# KiCad board BUDDY_v1.0.0.kicad_pcb (continued)
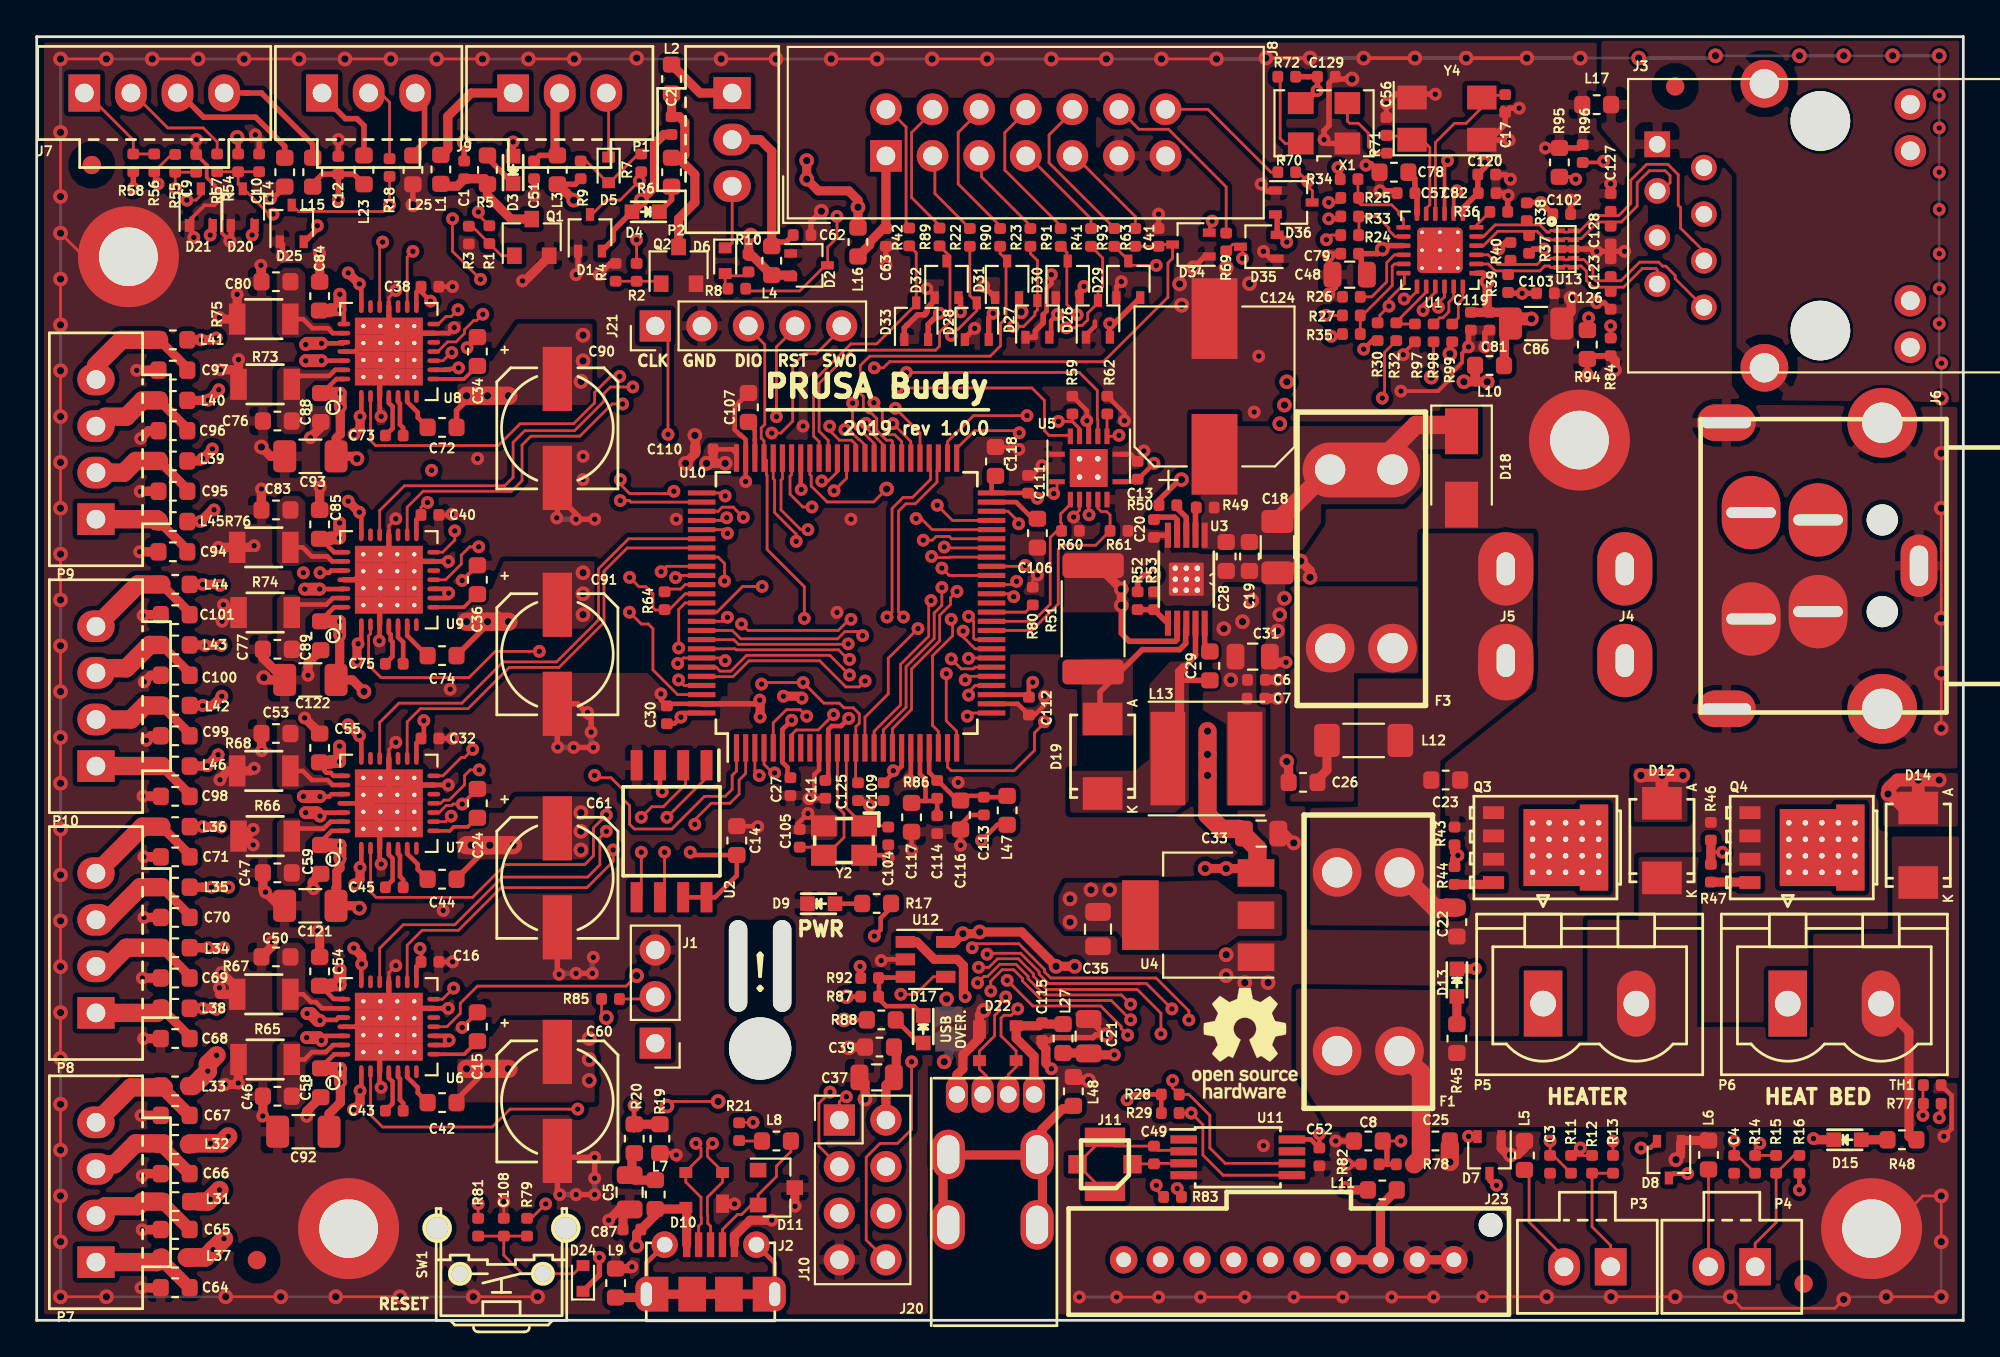
[diagram p0: board, top side]
## Nets (continued)
Net-(L46-Pad1): L46.1 U9.1
Net-(P3-Pad1): P3.1 R12.1 R13.2
Net-(P4-Pad1): P4.1 R15.1 R16.2
Net-(Q1-Pad1): Q1.1 R1.2 R3.1
Net-(Q2-Pad1): Q2.1 R2.2 R4.1
Net-(Q3-Pad1): Q3.1 R44.2
Net-(Q4-Pad1): Q4.1 R47.2
Net-(R24-Pad2): R24.2 R33.2 U1.8
Net-(R25-Pad2): R25.2 R34.2 U1.7
Net-(R26-Pad2): R26.2 U1.10
Net-(R27-Pad2): R27.2 R35.2 U1.11
Net-(R32-Pad2): R32.2 R97.1 U1.14
Net-(R36-Pad1): R36.1 U1.24
Net-(R49-Pad2): R49.2 U3.2
Net-(R50-Pad1): R50.1 U3.3
Net-(R52-Pad2): R52.2 R53.1 U3.6
Net-(R64-Pad2): R64.2 U10.86
Net-(R71-Pad2): R71.2 X1.3
Net-(R72-Pad2): R72.2 X1.1
Net-(R80-Pad2): R80.2 U10.37
Net-(R98-Pad2): R98.2 U1.17
Net-(R99-Pad2): R99.2 U1.18
Net-(U6-Pad7): U6.7
Net-(U6-Pad12): U6.12
Net-(U6-Pad17): U6.17
Net-(U6-Pad20): U6.20
Net-(U7-Pad7): U7.7
Net-(U7-Pad12): U7.12
Net-(U7-Pad17): U7.17
Net-(U7-Pad20): U7.20
Net-(U8-Pad7): U8.7
Net-(U8-Pad12): U8.12
Net-(U8-Pad17): U8.17
Net-(U8-Pad20): U8.20
Net-(U9-Pad7): U9.7
Net-(U9-Pad12): U9.12
Net-(U9-Pad17): U9.17
Net-(U9-Pad20): U9.20
Net-(U10-Pad8): U10.8
Net-(U10-Pad9): U10.9
Net-(U10-Pad38): U10.38
Net-(U11-Pad1): U11.1
Net-(U11-Pad7): U11.7

Pads without a net: J3 7; SW1 3 4; U5 15

## Via types
v1: diameter 0.8, hole 0.4, Top to Bottom, 202 vias
v2: diameter 0.7, hole 0.3, Top to Bottom, 509 vias

## Routing (per net, layer and track width the routed paths; a pad name or vN(x,y) marks a point on that pad's centre or on a via; arc(x,y) is an arc through that point)
24V2: length 16.6
  Top w0.5: P6.2 102.04,15.75 102.04,10.03 102.29,9.78 ; 101.02,18.29 100.51,18.29
  Top w1: R78.1 75.44,8.88 C25.1 ; 73.79,14.21 F1.1 ; 74.22,14.73 75.44,13.51 75.44,9.52
+3V3: length 108.4
  Top w0.15: v2(22.62,52.78) 22.49,52.64 22.46,52.64 22.14,52.33 U8.10 ; C40.2 20.95,44.35 21.2,44.6 v2(21.3,44.6) ; v2(9.45,59.18) 9.45,59.19 9.45,60.05 ; R81.2 v2(24.06,6.35) ; R13.1 v2(85.91,9.78) ; U7.9 22.29,27.19 v2(22.59,27.49)
  Top w0.2: 63.94,59.31 63.94,59.82 v2(64.06,59.94)
  Top w0.25: U6.15 20.69,19.29 C16.2 20.95,20.22 v2(20.89,20.28) ; v2(21.46,55.58) 20.95,56.09 C38.2 ; 20.95,43.92 20.69,43.66 20.69,42.83 ; 20.95,31.73 20.69,31.47 20.69,30.64 ; 22.22,39.89 v2(22.45,39.66) 22.19,39.39 ; 21.62,39.89 22.51,39.89 ; L47.1 52.35,27.02 v2(51.49,26.16) ; 40.95,32.64 41.04,32.73 v2(41.14,32.73) 40.64,32.22 U10.6 40.64,30.43 40.92,30.16 40.92,29.56 ; 78.54,10.03 v2(78.03,10.03) ; C52.1 v2(69.91,10.16) ; C52.1 69.44,9.86 U11.8 ; C52.1 69.87,9.36 ; R17.2 46.56,22.5 46,21.94 46,21.3 v2(45.65,20.95) ; v2(96.07,7.11) R16.1 ; v2(44.26,32.82) 43.84,32.41 43.33,32.41 43.14,32.22 U10.11 43.14,29.73 42.85,29.44 ; U10.28 53.78,34.12 ; 21.01,56.39 20.69,56.07 U8.15 ; U2.3 33.97,28.95 v2(34.09,28.83) ; v2(54.28,34.8) 54.07,34.59 C112.1 ; R77.1 103.79,11.15 v2(103.69,11.05) ; v2(21.1,32.7) 21.1,31.88 C32.2 ; U10.100 35.24,33.12 35.11,32.99 v2(35.11,32.89) 34.75,32.53 C30.1 ; v2(54.54,44.83) 54.26,45.11 C111.1 54.02,45.12 U10.50 52.04,45.84 C118.1 ; v2(59.42,12.02) 59.72,12.32 61.29,12.32 61.29,11.3 ; v2(70.56,53.66) 71.05,53.66 71.14,53.75 71.14,53.78 ; U2.8 36.97,23.07 38.16,24.26 C14.1 35.77,25.37 v2(35.62,25.53) ; U2.8 35.24,23.07 ; U2.8 36.55,23.11 ; 72.19,58.04 72.04,58.04 ; 88.32,9.78 87.96,9.41 87.45,9.41 ; 21.62,39.39 22.48,39.39 ; v2(72.32,52.96) 72.91,53.55 73.17,53.55 ; 45.14,16.38 v1(44,16.38) ; 37.01,47.65 36.86,47.5 37.9,47.5 38.14,47.26 U10.75 ; U10.19 47.14,30.22 46.89,29.97 v2(46.69,29.97) 46.69,29.84 C109.1 ; R87.1 v1(44.12,17.65)
  Top w0.3: v2(70.92,62.86) 71.04,62.75 R34.1 ; 68.74,67.82 C129.1 69.8,67.08 v2(69.78,67.06) 69.1,66.38 X1.4 ; 71.05,60.2 70.92,60.07 v2(70.41,60.07) ; D24.1 30.66,2.47 v2(30.66,3.43) ; 72.34,56.77 72.34,56.87 72.19,57.02 72.19,58.02 C79.1 73.08,58.16 v1(73.34,58.42) 73.52,58.6 U1.9 ; 78.47,52.17 78.54,52.24 ; R58.1 v2(5.26,61.72)
  Top w0.5: 78.41,51.18 v1(77.78,51.18) ; 78.41,51.18 v1(79.05,51.18) ; 78.41,51.18 78.41,51.47 78.39,51.49 L10.2 ; 46.85,14.9 46.85,13.39 46.28,12.83 J10.2 ; 37.01,46.73 v1(36.5,46.73) ; 37.01,46.73 v1(37.52,46.73) 37.52,46.84 ; 37.01,46.73 36.86,46.88 36.86,47.5 ; L11.1 71.43,7.11 v2(71.3,7.24)
  In2.Cu w0.25: v2(35.11,32.89) 36,32.89
  In2.Cu w0.3: v2(103.69,11.05) 102.93,10.29 101.66,10.29
  In4.Cu w0.15: v2(21.1,32.7) 21.1,28.98 v2(22.59,27.49) ; v2(22.45,39.66) 21.46,40.65 21.46,44.44 v2(21.3,44.6) ; 21.46,52.73 21.51,52.78 v2(22.62,52.78)
  In4.Cu w0.5: 21.46,46.44 v2(21.46,55.58)
  vias: v1(56.32,22.99) v1(56.32,21.72) v1(57.46,23.48) v1(58.48,23.48) v2(21.52,46.35) v2(87.43,9.4)
+5V: length 242
  Top w0.15: 11.73,60.05 11.73,59.19 v2(11.74,59.18) ; 25.93,63.52 D3.2
  Top w0.25: v2(55.64,54.85) 55.29,54.5 55.29,53.71 D27.2 ; v2(60.89,46.73) 60.13,45.97 60,45.97 59.76,45.73 U5.14 ; R50.2 61.06,44.45
  Top w0.3: R52.1 60,40.32 60.32,40.64 v1(60.89,40.64) ; 56.82,55.83 56.73,55.93 56.73,56.04 v2(57.08,56.39) ; 61.17,44.7 61.17,44.73 62.28,45.85 62.41,45.85 ; D33.2 48.59,54.31 v2(49.2,54.92) ; C12.1 15.57,62.51 15.04,61.97 L15.1 ; C12.1 16.44,61.12 v2(16.44,61.12) ; C12.1 17.28,62.51 L23.1 ; D4.2 31.42,59.44 31.42,58.93 D1.2 ; R54.2 10.98,64.46 v1(10.93,64.51) ; v2(50.35,54.99) 50.35,55.75 50.22,55.88 ; 25.96,64.27 25.96,63.37 ; v1(53.65,54.99) 53.54,55.1 D31.2 ; D29.2 58.73,54.35 v2(58.48,54.35) 58.48,53.62 D26.2 ; v2(52.13,54.92) 51.89,54.68 D28.2 ; 14.53,58.93 14.71,58.93 15.3,59.51 v2(15.3,59.69) ; C1.2 v1(23.3,64.26) ; R9.2 29.34,61.95 28.25,61.95 ; D36.2 67.6,60.21 67.6,59.32 68.13,58.8 v2(68.13,58.8)
  Top w0.5: 66.97,24.64 66.86,24.52 66.86,24.26 ; v1(56.57,19.3) v1(55.56,19.3) 53.68,21.18 v1(51.39,21.18) 51.3,21.08 v1(50.47,21.08) 49.97,20.57 49.48,20.57 ; D4.2 32.95,60.96 v1(32.95,61.09) 33.67,61.81 33.67,64.15 34.18,64.66 C2.2 ; v1(41.97,63.24) v1(41.97,62.23) 42.6,61.59 44.25,61.59 44.76,61.09 v1(44.76,60.7) L16.1 ; 28.25,61.95 28.4,61.95 v1(29.27,61.09) ; 41.2,57.02 41.18,57 L4.1 39.04,58.02 38.79,58.02 38.79,59.05 v1(38.92,59.18) ; 66.15,30.15 66.15,30.63 65.59,31.2 ; 62.31,45.77 v1(62.39,45.85) ; 66.21,24.64 v1(64.83,24.64) v1(63.68,24.64)
  Top w1: 66.62,24.4 66.6,24.38 66.53,24.46 66.53,25.73 65.79,26.46 C33.1 65.54,26.8 64.57,26.8 63.81,27.56 v1(63.81,29.72) v1(63.81,30.86) v1(63.81,32.13) ; 65.93,30.86 66.15,30.63
  In1.Cu w0.5: v2(49.2,54.92) 49.33,55.05 49.33,58.42 47.05,60.7 v1(44.76,60.7)
  In1.Cu w1: v1(10.93,64.51) 10.93,59.87 11.61,59.18 v2(11.74,59.18) 14.79,59.18 v2(15.3,59.69) 16.44,60.83 v2(16.44,61.12) 18.31,62.99 21.46,62.99 22.73,64.26 v1(23.3,64.26) v2(25.96,64.26) 29.14,61.09 v1(29.27,61.09) 33.58,61.09 35.49,59.18 v1(38.92,59.18) v1(41.97,62.23) 41.97,66.04 43.48,67.55 65.98,67.55 68.13,65.4 v2(68.13,58.8) v1(68.13,51.18) 68.13,50.04 v1(68,49.91) 67.75,49.66 v1(67.75,48.89)
  In3.Cu w0.3: v1(60.89,40.64) 60.89,36.45 62.01,35.32 64.68,35.32 v1(65.08,34.92)
  In4.Cu w0.25: 55.7,54.92 v2(55.64,54.85)
  In4.Cu w0.3: 55.81,54.85 v2(55.64,54.85) ; v2(55.64,54.85) 53.79,54.85 v1(53.65,54.99) 53.58,54.92 v2(52.13,54.92) 52.05,54.99 v2(50.35,54.99) 50.28,54.92 v2(49.2,54.92) ; v2(55.64,54.85) 56.06,55.28 56.06,55.88 56.57,56.39 v2(57.08,56.39) 57.97,56.39 58.48,55.88 v2(58.48,54.35) ; 67.33,44.99 67.37,44.96
  In4.Cu w0.5: 67.37,44.96 67.11,45.21 67.11,45.85 v1(62.39,45.85) 61.78,45.85 v2(60.89,46.73) ; v1(51.39,21.18) 51.3,21.08 v1(50.47,21.08) 49.59,20.19 v1(49.59,17.52) ; v1(55.56,19.3) v1(56.57,19.3) 56.97,19.7 62.05,19.7 63.05,20.7 63.05,24 63.68,24.64 65.59,24.64
  In4.Cu w1: v1(63.81,29.72) v1(63.81,32.13) 63.81,36.83 v1(64.7,37.72) 65.33,37.72 v1(65.72,38.1) 66.22,38.61 v1(66.22,39.24) 66.22,43.81 67.37,44.96 67.37,47.95 67.75,48.33 v1(67.75,48.89) 67.75,49.66 v1(68,49.91) 68.13,50.04 v1(68.13,51.18)
  Bottom w0.5: 49.59,16.64 v1(49.59,17.52)
+24V: length 5.7
  Top w1: F1.2 76.22,22.48 76.8,22.48 76.82,22.5 C22.1 ; 79.63,40.73 79.63,41.45 ; 79.84,41.21 J5.1 ; 70.83,24.38 F1.2
  Top w3: 80.07,35.3 J5.1
+24VMOT: length 271
  Top w0.25: 15.4,30.42 15.68,30.15 15.68,29.97 15.79,29.86 16.02,29.86 16.19,29.69 16.72,29.69 ; 16.71,41.89 16.21,41.89 15.48,42.62 15.39,42.62 ; U6.28 16.22,14.51 15.8,14.1 15.8,14.07 C58.1 ; 16.74,54.33 16.74,54.82 16.49,55.06 15.42,55.06 ; C54.1 15.47,18.24 16.19,17.52 16.73,17.52 U6.22 ; 15.44,38.12 15.93,38.61 15.93,38.61 16.21,38.89 16.71,38.89 ; 15.47,50.56 15.57,50.56 16.34,51.33 16.74,51.33 ; 15.46,25.92 15.46,26.07 16.08,26.69 16.72,26.69
  Top w0.3: C44.1 22.88,24.09 v1(24.69,25.91) ; 23.42,50.67 23.42,50.16 22.88,49.62 C72.1 ; C74.1 25.17,38.53 ; C60.1 28.85,14.64 ; v1(24.57,13.72) 22.88,12.03 C42.1
  Top w0.5: v2(16.53,25.16) 16.53,24.66 16.35,24.49 16.35,23.62 16.31,23.58 C121.1 17.45,22.6 v1(17.58,22.48) ; v2(16.52,37.35) 16.52,35.12 16.31,34.92 17.2,34.92 v1(17.84,34.29) ; v2(16.55,49.8) 16.55,48.32 16.32,48.09 C93.1 17.33,47.12 v1(17.45,46.99) ; v2(16.55,12.98) 16.55,11.88 15.93,11.26 C92.1 ; 69.75,47.11 70.49,46.37
  Top w0.7: 16.55,13.07 v2(16.55,13.73) 16.06,13.73 16.05,13.74 C58.1 ; C54.1 16,18.24 16.04,18.29 v2(16.53,18.29) v2(16.53,19.13) ; 15.46,25.92 16.03,25.92 16.04,25.91 v2(16.53,25.91) 16.53,25.25 ; 15.4,30.42 15.98,30.42 16.02,30.47 v2(16.51,30.47) v2(16.51,31.31) ; 16.54,49.89 v2(16.54,50.55) 16.06,50.55 16.05,50.56 15.47,50.56 ; 16.51,37.44 v2(16.51,38.11) 16.03,38.11 16.02,38.12 15.44,38.12 ; v2(16.51,43.48) 16.51,42.68 v2(16.49,42.66) 16.01,42.66 15.96,42.62 15.39,42.62 ; v2(16.52,55.95) v2(16.52,55.11) 16.04,55.11 15.99,55.06 15.42,55.06
  Top w1: v1(23.42,38.1) v1(24.57,38.1) v1(25.71,38.1) ; v1(23.42,50.42) v1(24.57,50.42) v1(25.71,50.42) ; 67.49,43.43 70.54,46.48 ; v1(25.96,25.91) 23.42,25.91 ; 28.63,39.27 C91.1 ; v1(25.71,13.72) v1(24.57,13.72) v1(23.42,13.72) ; F3.1 73.89,47.55 75.18,48.83 77.65,48.83 ; v1(24.69,25.91) v1(23.68,25.91)
  Top w3: 73.89,46.37 70.49,46.37
  In1.Cu w1: v2(16.55,49.8) 16.54,49.8 v2(16.54,50.55) ; v2(16.51,38.11) 16.57,38.16 16.57,42.59 v2(16.49,42.66) 16.51,42.68 v2(16.51,43.48) ; v2(16.51,38.11) 16.51,37.36 v2(16.52,37.35) ; v2(16.51,38.11) 25.7,38.11 v1(25.71,38.1) ; v1(25.71,13.72) 25.69,13.73 v2(16.55,13.73) ; v2(16.54,50.55) 16.54,49.76 ; v2(16.54,50.55) 16.52,50.53 v2(16.52,55.11) v2(16.52,55.95) ; v1(25.96,25.91) 25.96,25.91 v2(16.53,25.91) ; v2(16.51,31.31) v2(16.51,30.47) 16.51,25.18 v2(16.53,25.16) ; v2(16.55,13.73) 16.55,12.98 v2(16.55,12.98) ; v2(16.55,13.73) 16.53,13.75 v2(16.53,18.29) v2(16.53,19.13) ; v1(25.71,50.42) 16.57,50.42
  In1.Cu w3: 28.76,22.35 26.22,19.81 26.22,18.03 29.01,15.24 29.01,13.46 ; 28.76,22.35 28.76,27.81 26.22,30.35 26.22,32.26 29.27,35.3 29.39,35.3 29.39,40.26 28.38,41.27 28,41.27 26.22,43.05 26.22,46.86 29.52,50.16 29.52,52.96 ; 28.76,22.35 29.88,23.47 44.62,23.47 44.86,23.23 52.87,23.23 57.05,27.4 57.05,40.71 59.51,43.18 67.27,43.18 F3.1 F3.1
  In4.Cu w0.5: v1(17.58,22.48) 17.96,22.48 18.73,21.72 18.73,18.8 18.22,18.29 v2(16.53,18.29) ; v1(17.84,34.29) 18.49,33.64 18.49,31.13 17.83,30.47 v2(16.51,30.47) ; v2(16.49,42.66) 17.96,42.66 18.73,43.43 18.73,45.72 v1(17.45,46.99)
  vias: v1(29.67,51.2) v1(29.66,27.69) v1(29.66,26.67) v1(29.66,25.65) v1(29.77,53.72) v1(29.77,52.32) v1(29.77,40.77) v1(29.77,39.62) v1(29.77,38.48) v1(30.11,15.37) v1(30.11,14.22) v1(30.11,13.08)
/CPU/VDDA: length 6.2
  Top w0.25: L47.2 52.82,28.53 C113.1 51.55,28.6 49.94,28.6 49.1,29.44 R86.2 48.64,29.88 U10.22
GND: length 622.9
  Top w0.15: U6.18 19.19,18.96 v2(19.57,19.34) 19.63,19.4 ; U8.18 19.19,55.78 v2(19.57,56.16) 19.63,56.22 ; 19.19,42.83 19.19,43.33 v2(19.57,43.71) 19.63,43.77 ; 19.19,30.64 19.19,31.14 v2(19.57,31.52) 19.63,31.58 ; 79.88,66.12 79.91,66.1 ; v1(103.8,4.28) v1(103.8,6.78) 102.8,6.78 101.3,5.28 100.28,5.28 J19.1 ; v1(55.3,68.78) v1(58.3,68.78) ; v1(1.3,56.78) v1(1.3,54.28) ; 48.95,55.88 48.89,55.88 v2(48.51,56.26) ; v2(56.51,43.81) 56.51,43.86 56.83,44.18 U5.10 ; v1(1.3,51.78) v1(1.3,49.28) ; v1(11.3,68.78) v1(14.3,68.78) ; C125.2 45.12,28.34 v2(45.4,28.07) 45.56,27.9 ; v1(1.3,46.78) v1(1.3,44.28) ; v1(92.3,1.28) 92.93,0.65 97.99,0.65 v1(98.48,1.14) ; v1(103.8,35.28) v1(103.8,32.28) ; v2(71.18,1.27) v2(68.51,1.27) ; R80.1 54.28,40.38 v2(54.54,40.64) ; v1(1.3,6.78) v1(1.3,4.28) ; 103.81,50.3 v1(103.8,50.28) ; v2(76.13,1.27) v2(73.84,1.27) ; v1(37.3,68.78) v1(40.3,68.78) ; v1(23.8,1.28) v1(27.3,1.28) ; v1(1.3,11.78) v1(1.3,9.28) ; v1(1.3,1.28) v1(3.8,1.28) ; v1(61.3,68.78) v1(64.3,68.78) ; v1(16.3,1.28) v1(19.8,1.28) ; v1(103.8,44.28) v1(103.8,38.28) ; C108.2 v2(25.46,6.48) ; v1(1.3,26.78) v1(1.3,24.28) ; v1(43.3,68.78) v1(45.8,68.78) ; v1(1.3,41.78) v1(1.3,39.28) ; v1(1.3,16.78) v1(1.3,14.28) ; v1(1.3,31.78) v1(1.3,29.28) ; v1(48.8,68.78) v1(51.8,68.78) ; v1(1.3,21.78) v1(1.3,19.28) ; 70.88,64.52 70.88,64.41 ; v1(103.8,1.28) v1(100.8,1.28) ; 21.61,27.69 21.94,27.69 22.31,28.07 22.61,28.07 22.69,28.15 v2(23.19,28.15) ; J17.1 2.58,58 v1(1.3,59.28) ; v1(89.3,1.28) v1(85.8,1.28) ; v2(61.14,1.27) v2(58.86,1.27) ; v1(10.3,1.28) v1(13.3,1.28) ; v1(1.3,36.78) v1(1.3,34.28) ; v1(1.3,68.78) v1(3.8,68.78) ; v1(82.3,1.28) v2(78.8,1.28) ; v1(26.8,68.78) v1(29.3,68.78) ; v1(1.3,61.28) v1(1.3,64.78) ; v1(21.8,68.78) v1(24.3,68.78) ; v2(65.84,1.27) v2(63.43,1.27) ; v1(6.3,68.78) v1(8.8,68.78) ; v1(16.8,68.78) v1(19.3,68.78)
  Top w0.2: C24.1 v2(23.19,28.15) ; 24.02,41.17 v2(23.19,40.34) ; C15.1 v2(23.19,15.97) ; v2(78.03,53.08) 77.68,52.73 77.68,52.23 77.15,51.69 77.15,51.43 76.38,50.67 v2(74.35,50.67) ; C9.1 9.3,62.98 9.26,62.95 9.26,62.32 9.71,61.88 9.71,61.85 10.09,61.47 10.09,61.21 10.09,61.21 ; v1(77.91,68.83) v1(81.21,68.83) ; 24.04,53.62 v2(23.46,53.04) ; v2(10.52,58.85) 10.09,59.29 10.09,61.21 ; v2(74.48,52.66) 74.48,52.73 R97.2 ; 8.45,60.05 8.45,60.1 9.15,60.8 9.68,60.8 10.09,61.21 ; v1(66.99,68.83) v1(69.4,68.83) ; v1(72.32,68.83) v1(75.11,68.83)
  Top w0.25: 22.43,29.19 v2(22.43,29.19) U7.13 ; v2(18.77,24.88) 18.69,24.96 18.69,25.74 ; v2(22.43,17.01) 22.43,17.01 U6.13 ; v2(18.77,12.7) 18.69,12.78 U6.3 ; U6.29 17.34,16.01 U6.25 ; 22.74,19.55 22.74,19.55 C16.1 ; U6.10 22.54,15.51 ; 22.25,15.51 v2(22.48,15.28) 22.21,15.01 ; U6.9 22.5,15.01 ; 22.43,41.38 v2(22.43,41.38) 22.43,41.38 ; 22.43,41.38 U9.13 ; 22.74,56.37 22.74,56.37 C38.1 ; 22.74,43.92 22.74,43.92 21.92,43.92 ; 21.92,31.73 22.74,31.73 22.74,31.73 ; 16.71,40.39 17.31,40.39 17.77,40.85 ; 21.63,51.83 22.49,51.83 ; 74.95,66.88 74.96,66.87 ; C118.2 53.4,47.62 v2(53.52,47.5) ; 22.45,53.83 22.75,54.14 v2(22.75,54.14) 22.45,53.83 U8.13 ; v2(59.28,49.05) 59.28,49.46 R62.1 ; 16.72,28.19 18.22,28.19 18.73,28.7 ; v2(55.3,57.02) 55.3,56.53 55.04,56.27 55.04,55.04 54.85,54.85 54.85,54.57 ; v2(34.85,9.02) 34.75,9.12 R19.2 ; 57.67,54.47 57.67,54.21 57.19,53.73 D26.1 ; 47.68,26.52 v2(47.68,25.65) ; 16.74,52.83 17.34,52.83 17.8,53.29 ; 50.35,27.02 50.88,27.56 C113.2 ; U10.27 53.47,33.62 C112.2 ; R59.1 57.23,49.61 v2(57.23,49.06) 57.33,48.96 U5.4 ; 47.34,19.68 46.09,19.68 v2(46.02,19.62) ; C107.2 38.04,49.82 38.04,48.57 38.33,48.28 38.38,48.28 38.64,48.02 U10.74 v2(38.64,45.74) ; U8.3 18.69,49.37 v2(18.77,49.29) ; 58.84,55.64 D29.1 58.84,56.37 v2(59.11,56.64) ; v2(47.55,29.46) 47.64,29.55 U10.20 ; C116.2 v2(50.35,25.91) ; U10.10 42.64,30.02 42.39,29.76 42.39,28.74 v2(42.09,28.45) 42.12,28.47 C11.2 42.9,28.39 ; v2(54.92,34.03) 54.92,33.54 54.39,33.01 54.12,33.01 ; 22.2,51.83 v2(22.99,51.94) ; U9.3 18.69,37.08 v2(18.67,37.05) ; U5.1 59.63,47.23 60,46.86 60.13,46.86 ; v2(42.03,27.64) 41.46,27.06 41.46,26.77 ; v2(46.41,25.23) 46.28,25.36 Y2.4 ; v2(39.3,26.92) 39.27,26.95 C14.2 ; v2(103.94,10.03) 104.36,10.45 104.36,12.26 TH1.2 ; C111.2 54.26,46.08 v2(54.79,46.61) ; v2(34.02,34.16) 34.01,34.15 34.01,33.84 C30.2 34.46,33.62 U10.99
  Top w0.3: C56.2 v2(73.56,66.36) 74.07,66.87 76.22,66.87 v2(76.22,66.86) ; 79.39,64.57 80.03,65.21 C17.2 80.26,66.1 v2(80.79,66.1) ; 70.77,67.69 v1(71.68,67.69) ; v2(51.62,56.39) 52.13,55.88 52.25,55.88 ; U6.29 18.69,14.59 U6.3 ; C8.2 v2(70.8,9.78) ; U9.18 19.19,41.31 U9.29 ; v2(13.39,58.04) 13.39,58.67 13.26,58.8 ; C9.1 v2(8.69,64.39) ; U8.3 18.69,51.41 U8.29 ; U9.13 20.52,41.38 20.5,41.4 ; U6.29 20.19,17.01 U6.13 ; 8.45,60.05 8.45,59.17 v2(8.56,59.05) ; C78.2 72.72,63.07 72.53,63.07 v2(72.45,62.99) ; U7.29 18.69,27.69 U7.3 ; v2(70.41,55.96) 70.77,56.32 70.77,56.77 ; D27.1 54.43,53.61 54.43,53.96 54.85,54.39 54.85,54.85 ; v2(29.39,57.02) 29.5,57.13 D1.1 ; 61.65,42.81 61.01,42.81 C20.2 ; v2(12.74,61.16) 12.86,61.16 L14.1 ; 62.15,39.71 62.05,39.81 ; 84.77,52.42 84.94,52.6 85.4,52.6 84.66,52.6 84.51,52.45 v2(84.51,51.56) ; v2(30.21,32.08) 30.21,32.88 29.48,33.62 C91.2 28.38,31.28 v2(28.39,31.26) ; 10.6,59.82 10.6,58.93 v2(10.52,58.85) ; 30.03,32.89 v2(30.03,33.15) ; 67.62,57.91 67.24,57.91 v2(66.86,58.29) ; C128.2 C123.2 ; 74.09,61.4 73.9,61.59 v2(73.21,61.59) ; C10.2 12.12,64.44 v2(11.92,64.65) ; 29.48,43.89 28.38,44.99 C90.2 28.38,43.79 v2(28.34,43.76) 28.28,43.76 28.22,43.82 ; R96.2 84.08,63.93 R95.2 v2(82.22,63.93) ; 83.6,60.32 83.6,61.06 v2(83.62,61.09) ; 66.73,61.9 67.04,61.59 67.49,61.59 ; v2(28.5,6.86) 28.38,6.98 C60.2 28.73,8.89 v2(30.41,8.89) v2(30.41,7.75) ; v2(29.39,18.92) v2(30.28,18.92) ; U8.13 19.27,53.83 U8.29 ; C21.2 58.2,15.56 v1(58.27,15.56) 57.71,15.56 57.56,15.42 55.37,15.42 55.21,15.26 C115.2 ; v1(59.11,38.99) 59.11,37.46 59.55,37.03 62.06,37.03 62.15,37.12 U3.7 ; C12.2 v2(16.44,64.39) ; C120.2 80.07,62.48 v2(80.32,62.23) ; C62.2 42.2,59.92 v1(42.76,60.48) ; R4.2 31.28,57.63 v2(30.66,57.02) ; 79.39,64.32 79.43,64.35 v2(80.25,64.35) ; 78.03,54 v2(78.03,53.08) ; v2(85.02,55.5) 85.42,55.5 C126.2 ; C41.2 v2(61.14,60.32) ; 48.95,55.88 48.95,55.62 48.54,55.21 48.54,55.04 48.46,54.96 48.46,54.89 48.4,54.83 48,54.83 47.44,54.26 47.42,54.26 47.28,54.13 D33.1 ; v2(86.54,58.29) v2(85.02,58.29) 84.89,58.42 U13.3 U13.3 ; 19.61,16.38 19.19,16.8 U6.18 ; v2(51.12,54.09) 50.6,53.58 50.6,53.47 ; U8.18 19.19,53.76 U8.29 ; U7.13 20.19,29.19 U7.29 19.19,29.12 U7.18 ; C127.2 v2(85.78,61.98) ; R82.2 v2(71.43,8.51) ; v2(29.27,31.24) v2(30.34,31.24) ; C129.2 70.43,67.47 70.43,65.15 70.16,64.88 v2(70.16,64.39) 70.37,64.18 X1.2 ; D34.1 63.66,58.02 v1(63.05,57.4) ; v2(29.39,43.69) v2(30.41,43.69) ; L25.1 20.5,60.83 ; v2(78.92,53.08) 78.92,53.87 79.05,54 ; U9.25 18.27,40.38 U9.29 18.69,39.88 U9.3 ; C79.2 70.54,58.16 v2(70.41,58.04) ; C51.2 v2(27.11,61.34) ; 28.98,20.83 C61.2 28.38,18.96 v2(28.47,18.87) ; R36.2 80.17,61.32 v2(80.19,61.34) 80.07,61.47 79.53,61.47 ; v2(29.39,6.86) v2(30.41,6.86) ; 46.42,25.9 46.5,25.9 46.53,25.93 46.54,25.93 ; NT3.2 39.42,33.9 39.14,33.62 U10.99 ; 79.92,66.09 79.91,66.1 ; 46.28,58.31 v2(46.28,57.53)
  Top w0.5: v1(68.13,30.48) 68.23,30.38 C26.2 ; v2(10.11,38.12) 10.58,38.6 R74.1 ; v2(15.31,21.23) 15.42,21.12 C54.2 ; C39.2 44.29,14.9 v1(44.25,14.86) ; v2(12.26,31.06) 12.25,31.07 C53.2 ; v2(9.96,18.13) 9.96,17.79 9.98,17.78 R67.1 10.92,18.11 v2(10.07,18.97) ; v1(12.25,47.62) 12.76,47.12 C93.2 ; v1(12.38,35.05) 12.5,34.92 C122.2 12.33,36.11 C77.2 ; R74.1 10.7,38.6 ; R74.1 10.6,38.6 v2(10.18,39.02) ; C55.2 15.42,32.03 v2(14.6,32.85) ; v2(5.61,41.91) 6.1,41.91 6.1,41.91 C94.1 ; C83.2 12.25,44.77 12.24,44.78 12.24,45.33 v2(12.25,45.33) ; D10.1 38.02,6.36 v2(38.03,6.35) ; v2(41.33,6.22) 41.31,6.24 D11.3 ; v2(10.99,12.94) 10.99,14.21 R65.1 11,12.87 10.99,12.86 v2(10.27,12.86) ; 11.88,42.15 11.88,42.21 v2(11.85,42.24) ; 11.88,42.15 R76.1 v2(9.9,42.15) ; 11.88,42.15 11.91,42.18 ; v1(68.51,26.03) 68,26.54 C33.2 ; v1(45.14,12.06) 45.14,12.95 44.89,13.21 ; v2(12.83,20.63) 12.83,20.4 C50.2 ; v1(57.33,13.08) 57.31,13.11 56.57,13.11 ; v2(11.8,26.77) 11.8,26.73 11.48,26.41 R66.1 11.34,26.41 11.8,25.94 v2(11.8,25.92) ; v2(14.92,48.13) 15.48,48.7 C88.2 ; v2(5.84,25.27) 6.22,25.27 6.22,25.27 C71.1 ; 54.79,15.01 55,14.8 55,14.01 v2(55.3,13.72) ; 10.99,52.4 v2(11,52.39) R73.1 11,51.44 10.61,51.83 v2(10.02,51.83) ; v2(5.64,45.2) 6.09,45.2 6.1,45.21 C95.1 ; v2(14.71,11.12) 14.71,11.4 C58.2 ; L5.1 81.08,9.4 80.73,9.04 80.57,9.04 80.54,9.02 v1(80.32,9.02) 80.19,9.02 79.81,9.4 79.81,10 D7.1 ; C47.2 12.33,23.49 v2(12.47,23.35) 13.22,22.6 C121.2 ; v2(5.8,28.58) 6.21,28.58 6.22,28.57 C98.1 ; C99.1 6.22,31.88 v2(5.98,31.63) ; C100.1 6.22,35.18 v2(5.86,34.82) ; C68.1 v2(5.82,15.37) ; v2(86.03,51.81) 86.03,52.32 85.78,52.58 ; C70.1 6.22,21.97 6.22,21.97 v2(5.85,21.97) ; v2(68.09,35.88) 67.26,35.88 67.21,35.94 ; J20.4 50.15,13.39 50.47,13.72 50.47,14.48 51.38,15.38 D22.1 51.38,16.65 v1(51.62,16.89) ; v2(9.96,54.69) 9.96,54.61 9.98,54.6 R75.1 v2(10.92,55.95) 10.93,55.95 ; C84.2 15.42,57.18 15.42,57.18 v2(15.42,58.19) ; v1(35.36,46.73) 35.89,47.27 C110.2 35.89,48.24 v1(35.87,48.26) ; L9.1 32.34,2.82 v2(32.44,2.92) ; 57.78,41.33 57.96,41.16 ; v2(31.17,5.46) 31.76,6.05 C5.2 31.96,5.69 C87.2 ; C69.1 v2(5.76,18.67) ; v2(12.32,11.14) 12.33,11.15 C46.2 ; 100.58,47.55 100.26,47.88 100.26,49.41 ; 66.99,34.92 v2(67.62,34.92) ; v2(5.75,7.88) 5.88,8 6.22,8 6.22,8 C66.1 ; v2(40.06,5.46) 38.88,5.46 38.02,4.6 J2.5 ; 90.9,10.02 L6.1 89.74,9.8 89.59,9.65 89.59,9.02 v1(89.34,8.76) ; 82.99,54.35 83.62,54.99 v1(83.62,55.75) ; v2(14.79,35.18) 14.79,35.85 C89.2 ; v2(5.69,1.77) 6.22,1.77 6.22,1.78 C64.1 ; C65.1 6.22,4.95 6.21,4.94 v2(5.75,4.94) ; 67.87,40.77 68.25,40.77 v1(68.89,41.4) 69.4,40.89 v1(69.4,40.51) ; v2(15.45,45.44) 15.42,45.41 C85.2 ; C96.1 6.1,48.51 v2(5.67,48.08) ; v2(11.86,30.11) 11.78,30.11 11.64,29.96 R68.1 10.42,29.96 9.98,29.52 v2(9.98,29.47) ; 66.99,33.91 v2(67.62,33.91) ; 27.93,58 26.73,56.8 ; C97.1 6.1,51.81 6.09,51.8 v2(5.45,51.8) ; C101.1 6.22,38.48 6.22,38.48 5.85,38.48 v2(5.8,38.44) ; C67.1 v2(5.69,11.17) ; v1(59.11,38.99) v1(59.11,39.88) 57.83,41.16 R51.2 ; J23.9 J23.10 ; v2(12.22,57.53) 12.21,57.52 12.21,57.25 12.25,57.21 C80.2 ; 92.08,48.19 92.08,48.22 ; C59.2 15.02,23.89 15.02,23.61 v2(15.09,23.54)
  Top w1: 77.02,9.52 v1(77.02,8.63)
  In4.Cu w0.15: 50.09,29.46 v2(50.22,29.34)
  Bottom w0.15: 71.6,67.77 v1(71.68,67.69) ; v1(103.69,68.96) v2(103.69,66.8) v2(103.69,65.02) v2(103.69,62.61) v2(103.69,60.58) v2(103.69,58.16) v2(103.69,56.26) v2(103.69,54.35) 103.69,52.32 v2(103.81,52.2) 103.8,52.18 v1(103.8,50.28) v1(103.8,47.28) v1(103.8,44.28) ; v1(100.8,1.28) 98.62,1.28 v1(98.48,1.14) ; v1(1.3,39.28) v1(1.3,36.78) ; v1(19.3,68.78) v1(21.8,68.78) ; v1(37.3,68.78) 32.74,68.78 v1(32.69,68.83) 32.65,68.78 v1(29.3,68.78) ; v1(103.8,38.28) v1(103.8,35.28) ; v1(1.3,9.28) v1(1.3,6.78) ; v2(58.86,1.27) v2(56.82,1.27) ; v1(40.3,68.78) v1(43.3,68.78) ; v1(98.48,68.96) v1(101.15,68.96) ; v1(19.8,1.28) v1(23.8,1.28) ; v1(85.8,1.28) v1(82.3,1.28) ; v1(1.3,29.28) v1(1.3,26.78) ; v2(78.8,1.28) 76.15,1.28 v2(76.13,1.27) ; v1(1.3,24.28) v1(1.3,21.78) ; v1(13.3,1.28) v1(16.3,1.28) ; v1(3.8,68.78) v1(6.3,68.78) ; v2(68.51,1.27) v2(65.84,1.27) ; v1(24.3,68.78) v1(26.8,68.78) ; v1(1.3,44.28) v1(1.3,41.78) ; v1(1.3,19.28) v1(1.3,16.78) ; v1(3.8,1.28) v1(10.3,1.28) ; v1(14.3,68.78) v1(16.8,68.78) ; v1(51.8,68.78) v1(55.3,68.78) ; v1(1.3,64.78) v1(1.3,68.78) ; v1(1.3,54.28) v1(1.3,51.78) ; v1(1.3,61.28) v1(1.3,59.28) v1(1.3,56.78) ; v1(103.8,4.28) v1(103.8,1.28) ; v1(58.3,68.78) v1(61.3,68.78) ; v1(8.8,68.78) v1(11.3,68.78) ; v1(1.3,14.28) v1(1.3,11.78) ; v2(63.43,1.27) v2(61.14,1.27) ; v1(87.31,68.83) v1(84.13,68.83) ; v2(73.84,1.27) v2(71.18,1.27) ; v1(1.3,4.28) v1(1.3,1.28) ; v1(92.3,1.28) v1(89.3,1.28) ; v1(1.3,49.28) v1(1.3,46.78) ; v1(91.5,68.96) v1(96.07,68.96) ; v1(1.3,34.28) v1(1.3,31.78) ; v1(45.8,68.78) v1(48.8,68.78)
  Bottom w0.2: v1(81.21,68.83) v1(84.13,68.83) ; v1(66.99,68.83) 66.94,68.78 v1(64.3,68.78) ; v1(69.4,68.83) v1(72.32,68.83) ; v1(87.31,68.83) 91.37,68.83 v1(91.5,68.96) ; v1(75.11,68.83) v1(77.91,68.83) ; v1(96.07,68.96) v1(98.48,68.96) ; v1(103.69,68.96) v1(101.15,68.96)
  Bottom w0.3: v2(28.5,6.86) v2(29.39,6.86) ; v2(30.28,18.92) 30.28,19.74 v2(30.34,19.8) ; v2(29.39,18.92) 28.53,18.92 v2(28.47,18.87) ; v2(28.39,31.26) 28.41,31.24 v2(29.27,31.24) ; v2(30.34,31.24) 30.21,31.37 v2(30.21,32.08) ; v2(28.34,43.76) 28.41,43.69 v2(29.39,43.69) ; v2(30.41,6.86) v2(30.41,7.75)
  vias: v1(20.5,60.83) v1(62.29,56.51) v1(62.41,55.36) v1(62.39,55.36) v1(64.83,57.4) v1(64.83,19.94) v1(64.83,18.8) v1(65.84,18.41) v1(66.1,56.54) v1(67.11,18.41) v1(67.62,37.59) v1(67.75,38.48) v1(68,39.37) v2(22.15,22.35) v2(22.53,34.42) v2(22.63,43.96) v2(22.66,56.37) v2(22.66,31.73) v2(22.66,19.55) v2(24.03,46.99) v2(26.48,56.68) v2(29.77,47.12) v2(29.77,45.85) v2(34.85,43.69) v2(39.41,33.82) v2(41.71,33.93) v2(41.77,48.77) v2(43.62,38.61) v2(44.38,43.69) v2(60.34,47.41) v2(66.35,49.53) v2(66.6,52.58) v2(66.73,61.96) v2(66.86,9.52)
